# KiCad board Home Assistant Voice PE.kicad_pcb
note: Licensed under CERN-OHL-P v2
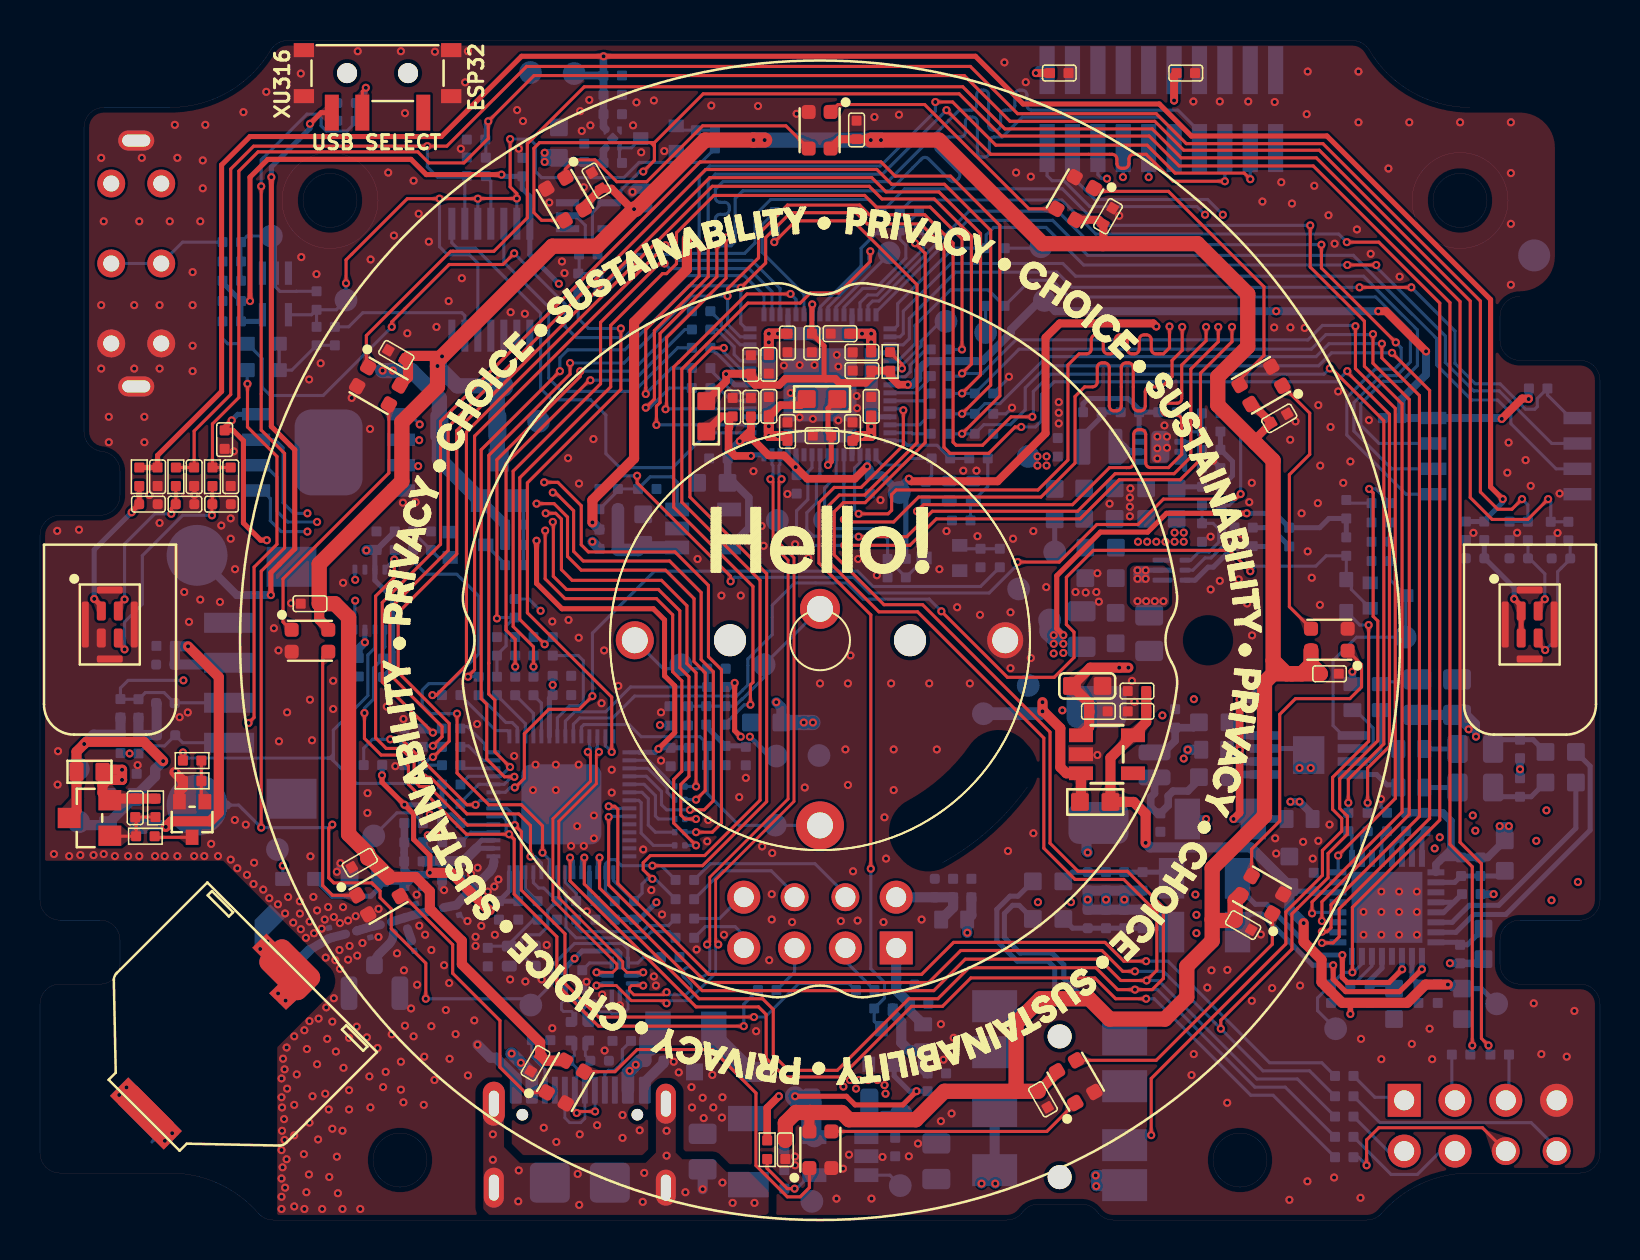
[diagram p0: board, top side]
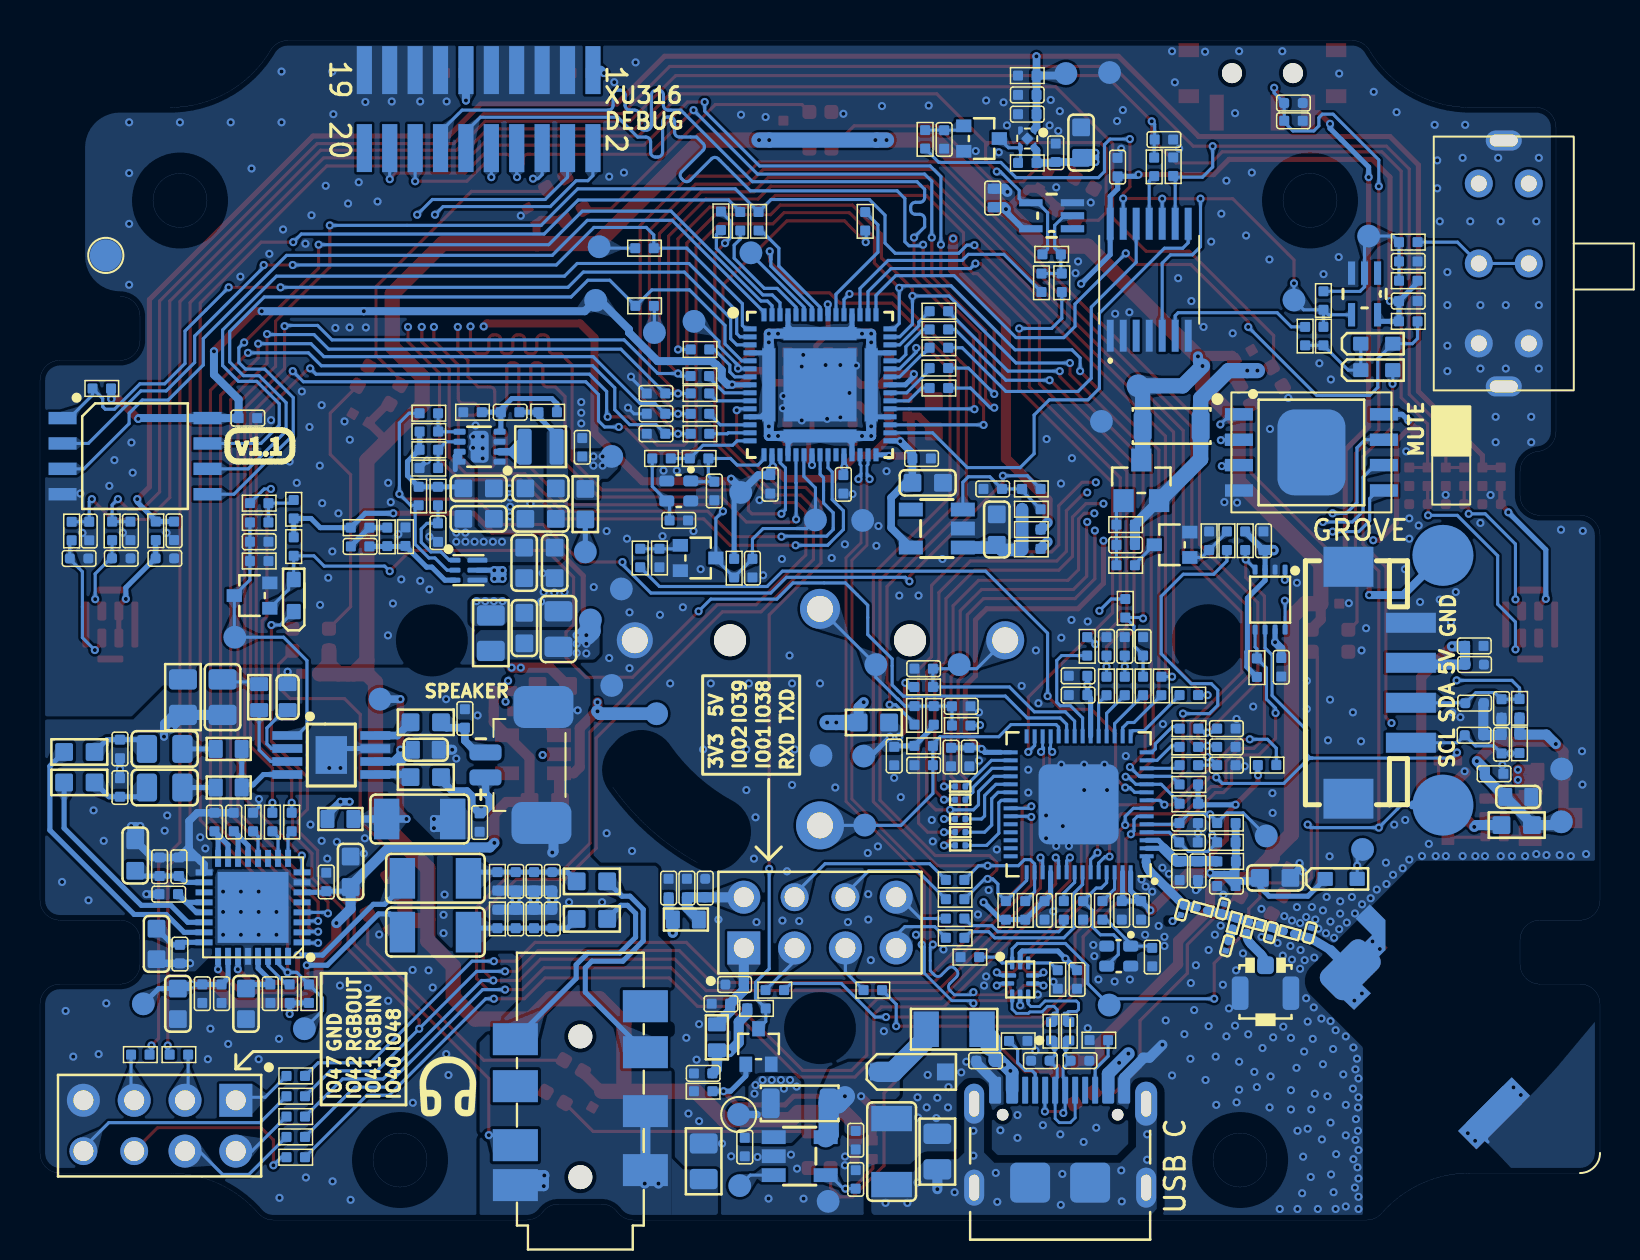
[diagram p1: board, bottom side, seen from below]

Outline 78 x 59 mm; copper layers: Top, In2.PWR (plane), In3.GND, Bottom. Coordinates in mm from the lower left corner of the outline.
Outline path: circle c14.5,51 r1.35 ; circle c18,3 r1.35 ; circle c19.6,29 r1 ; circle c39,48.4 r1 ; circle c39,9.6 r1 ; circle c58.4,29 r1 ; circle c60,3 r1.35 ; circle c71,51 r1.35 ; 0,34.25 arc(0.29,34.96) 1,35.25 3.01,35.25 arc(3.71,35.55) 4,36.25 4,37.45 arc(3.74,38.12) 3.1,38.44 arc(2.46,38.77) 2.2,39.44 2.2,54.65 arc(2.49,55.36) 3.2,55.65 6.5,55.65 arc(9.39,56.42) 11.53,58.51 arc(11.89,58.87) 12.39,59 65.61,59 arc(66.11,58.87) 66.47,58.51 arc(68.61,56.42) 71.5,55.65 74,55.65 arc(75.41,55.06) 76,53.65 76,48.2 arc(75.41,46.79) 74,46.2 arc(73.29,45.91) 73,45.2 73,43.99 arc(73.3,43.29) 74,43 77,43 arc(77.71,42.71) 78,42 78,16 arc(77.7,15.29) 76.99,15 74,15 arc(73.29,14.71) 73,14 73,12.79 arc(73.3,12.09) 74,11.8 77,11.8 arc(77.71,11.51) 78,10.8 78,3.35 arc(77.7,2.64) 76.99,2.35 71.48,2.35 arc(69.07,1.82) 67.09,0.34 arc(66.75,0.09) 66.34,0 53.66,0 arc(53.22,0.11) 52.86,0.4 arc(52.51,0.69) 52.06,0.8 49.94,0.8 arc(49.49,0.69) 49.14,0.4 arc(48.78,0.11) 48.34,0 11.66,0 arc(11.25,0.09) 10.91,0.34 arc(8.92,1.82) 6.5,2.35 1,2.35 arc(0.29,2.65) 0,3.36 0,10.8 arc(0.29,11.51) 1,11.8 3,11.8 arc(3.71,12.09) 4,12.8 4,14 arc(3.71,14.71) 3,15 1,15 arc(0.29,15.3) 0,16.01 0,34.25 ; 43.09,18.42 43.29,18.19 arc(44.16,17.71) 45.13,17.88 arc(47.46,19.53) 49.36,21.66 arc(49.64,22.61) 49.26,23.52 49.05,23.75 arc(47.84,24.25) 46.7,23.61 arc(45.26,21.99) 43.49,20.74 arc(42.73,19.68) 43.09,18.42
Stack: Top 0.035mm / dielectric 0.1mm FR4 er 4.5 / In2.PWR 0.035mm / dielectric 1.24mm FR4 er 4.5 / In3.GND 0.035mm / dielectric 0.1mm FR4 er 4.5 / Bottom 0.035mm

## Placement (name value [footprint] x y rotation side)
ANT1  U.FL-R-SMT-1  [U-FL3P-SMD-2.6X2.6X1.0MM]  16.72 11.35 270 bottom  (not fitted)
ANT2  M01-X01210U230  [ANT2P-12x10.45x3.0MM_3]  8.9 8.93 135 top
C1  100nF  [C0402]  67.61 40.11 180 bottom
C2  20pF  [C0402]  46.06 34.99 180 bottom
C3  20pF  [C0402]  44.28 36.47 270 bottom
C4  100nF  [C0402]  71.3 34.47 270 bottom
C5  100nF  [C0402]  5.88 37.18 270 top
C6  100nF  [C0402]  24.12 52.67 90 bottom
C7  2.4pF  [C0402]  21.02 17.47 270 bottom
C8  12pF  [C0402]  23.76 28.7 90 bottom  (not fitted)
C9  100nF  [C0402]  9.59 47.95 180 bottom
C10  100nF  [C0402]  27.21 53.38 90 bottom
C11  2.2uF  [C0603]  25.94 53.89 90 bottom
C12  100nF  [C0402]  28.64 56.28 0 bottom
C13  100nF  [C0402]  71.05 17.67 90 bottom
C14  10uF  [C0603]  73.24 18.23 90 bottom
C15  47uF  [C1206]  58.23 17.09 180 bottom
C16  47uF  [C1206]  58.23 14.4 180 bottom
C17  100pF  [C0402]  54.21 15.06 90 bottom
C18  100pF  [C0402]  54.21 16.94 270 bottom
C19  22uF  [C0805]  71.77 23.56 180 bottom
C20  22uF  [C0805]  71.77 21.63 180 bottom
C21  22uF  [C0805]  68.87 26.16 90 bottom
C22  100nF  [C0603#2]  65.62 26.16 270 bottom
C23  100nF  [C0603#2]  58.71 23.52 180 bottom
C24  47uF  [C1206]  59.02 20.06 180 bottom
C25  100nF  [C0402]  43.95 10.82 0 bottom
C26  100nF  [C0402]  44.84 7.33 0 bottom
C27  10nF  [C0402]  56.02 19.88 270 bottom
C28  10nF  [C0402]  56.75 25.09 90 bottom
C29  10nF  [C0402]  67.04 33.93 180 bottom
C30  100nF  [C0402]  45.65 16.6 90 bottom
C31  100nF  [C0402]  46.57 16.6 90 bottom
C32  10nF  [C0402]  4.76 20.62 270 top
C33  100nF  [C0402]  71 13.3 270 bottom
C34  22uF  [C0603]  72.17 13.81 270 bottom
C35  100nF  [C0402]  69.89 11.32 270 bottom
C36  10uF  [C0603]  71.11 10.81 270 bottom
C37  100nF  [C0402]  66.48 11.32 270 bottom
C38  22uF  [C0603]  67.7 10.81 270 bottom
C39  100nF  [C0402]  63.69 16.91 90 bottom
C40  10uF  [C0603]  62.47 17.42 90 bottom
C41  1uF  [C0402]  39.1 39.24 180 top
C42  4.3nH  [C0201]  16.45 14.38 285 bottom
C43  100nF  [C0402]  37.37 43.87 270 top
C44  1uF  [C0402]  50.89 38.65 90 bottom
C45  100nF  [C0402]  40.63 39.44 90 top
C46  100nF  [C0402]  41.56 40.7 90 top
C47  100nF  [C0402]  37.37 39.44 90 top
C48  100nF  [C0402]  41.1 43.4 180 top
C49  100nF  [C0402]  36.44 42.8 270 top
C50  100nF  [C0402]  36.44 40.7 90 top
C51  100nF  [C0402]  40 44.34 180 top
C52  100nF  [C0402]  35.55 40.66 90 top
C53  100nF  [C0402]  37.83 36.8 270 bottom
C54  100nF  [C0402]  41.49 36.8 270 bottom
C55  100nF  [C0402]  35.55 42.79 90 top
C56  100nF  [C0402]  41.1 42.49 180 top
C57  100nF  [C0402]  38.59 43.87 270 top
C58  100nF  [C0402]  34.63 40.66 90 top
C59  12pF  [C0402]  22.39 13.15 270 bottom
C60  100nF  [C0402]  9.59 45.97 180 bottom
C61  100nF  [C0402]  30.36 36.57 0 bottom  (not fitted)
C62  10uF  [C0603]  52.27 32.87 270 bottom  (not fitted)
C63  10uF  [C0603]  53.79 32.87 270 bottom
C64  120pF  [C0402]  62 33.69 180 bottom
C65  22uF  [C0805]  52.08 29.56 90 bottom
C66  100nF  [C0603]  53.78 29.61 90 bottom
C67  10uF  [C0603]  56.07 35.07 180 bottom  (not fitted)
C68  2.2uF  [C0603]  30.16 34.54 90 bottom
C69  2.2uF  [C0603]  33.62 36.87 180 bottom
C70  100nF  [C0402]  33.92 38.09 180 bottom
C71  10uF  [C0603]  52.97 36.6 0 bottom
C72  10uF  [C0603]  52.97 35.07 0 bottom
C73  10uF  [C0603]  56.07 36.6 180 bottom
C74  22pF  [C0402]  54.49 40.41 0 bottom
C75  10uF  [C0603]  16.24 17.11 180 bottom
C76  1uF  [C0402]  18.68 16.71 0 bottom
C77  12pF  [C0402]  25.84 15.49 270 bottom
C78  100nF  [C0402]  40.83 54.53 90 top
C79  100nF  [C0402]  37.22 2.03 90 bottom  (not fitted)
C80  1nF  [C1206]  35.42 3.42 270 bottom
C81  100nF  [C0402]  37.22 3.99 270 bottom
C82  1uF  [C0402]  23.91 15.49 270 bottom
C83  100nF  [C0402]  42.76 3.65 270 bottom
C84  2.2uF  [C0603#2]  4.09 21.16 180 bottom
C85  100nF  [C0402]  5.29 22.32 180 bottom
C86  10nF  [C0402]  22.95 15.49 270 bottom
C87  1uF  [C0402]  72.02 17.67 90 bottom
C88  100nF  [C0402]  68.31 19.91 90 bottom
C89  100nF  [C0402]  69.28 19.91 90 bottom
C90  100nF  [C0402]  26.15 12.03 270 bottom
C91  100nF  [C0402]  26.1 26.26 0 bottom
C92  100nF  [C0402]  42.38 32.61 270 bottom
C93  100nF  [C0402]  58.1 34.38 270 bottom  (not fitted)
C94  100nF  [C0402]  30.36 51.12 90 bottom
C95  100nF  [C0402]  20.1 17.47 270 bottom
C96  0.8PF  [C0201]  18.86 15.57 105 bottom
C97  1.2pF  [C0201]  20.89 15.51 285 bottom
C98  12pF  [C0402]  4.92 23.8 90 bottom  (not fitted)
C99  12pF  [C0402]  4.92 25.59 270 bottom  (not fitted)
C100  100nF  [C0402]  6.28 28.72 180 bottom
C101  1.2pF  [C0201]  14.51 14.37 105 bottom  (not fitted)
C102  0.5pF  [C0201]  18.65 13.72 285 bottom  (not fitted)
C103  10nF  [C0402]  32.79 54.05 270 bottom  (not fitted)
C104  100nF  [C0402]  16.83 33.98 90 bottom
C105  100nF  [C0402]  31.53 23.16 270 bottom
C106  1uF  [C0402]  32.45 23.16 270 bottom
C107  100nF  [C0402]  9.23 39.04 270 top
C108  100nF  [C0402]  27.77 15.49 270 bottom
C109  100nF  [C0402]  26.1 27.22 0 bottom
C110  1uF  [C0402]  28.64 55.31 0 bottom
C111  10pF  [C0402]  53.3 15.06 90 bottom  (not fitted)
C112  1uF  [C0402]  20.58 18.89 180 bottom
C113  12pF  [C0402]  20.57 19.86 180 bottom
C114  12pF  [C0402]  18.68 22.75 180 bottom  (not fitted)
C115  12pF  [C0402]  18.68 23.67 180 bottom  (not fitted)
C116  12pF  [C0402]  18.68 24.58 180 bottom  (not fitted)
C117  1uF  [C0402]  68.92 11.32 270 bottom
C118  100nF  [C0402]  15.94 27.65 270 bottom
C119  100nF  [C0402]  71.56 16.3 0 bottom
C120  4.7nF  [C0402]  74 23.56 270 bottom  (not fitted)
C121  4.7nF  [C0402]  74 21.63 90 bottom  (not fitted)
C122  2.2uF  [C0603]  52.36 26.71 0 top  (not fitted)
C123  1uF  [C0402]  54.85 26.46 180 top
C124  12pF  [C0402]  24.67 28.7 90 bottom  (not fitted)
C125  10pF  [C0402]  53.3 16.94 270 bottom  (not fitted)
C126  12pF  [C0402]  22.85 28.7 90 bottom  (not fitted)
C127  12pF  [C0402]  47.2 41.34 0 bottom  (not fitted)
C128  12pF  [C0402]  47.2 40.33 0 bottom  (not fitted)
C129  12pF  [C0402]  47.2 39.33 0 bottom  (not fitted)
C130  10nF  [C0402]  33.82 27.58 0 bottom
C131  10nF  [C0402]  31.94 25.7 180 bottom  (not fitted)
C132  100nF  [C0402]  35.29 23.21 270 bottom
C133  12pF  [C0402]  75.54 34.46 270 bottom  (not fitted)
C134  12pF  [C0402]  73.48 34.47 270 bottom  (not fitted)
C135  12pF  [C0402]  9.54 37.18 270 top  (not fitted)
C136  12pF  [C0402]  7.71 37.18 270 top  (not fitted)
C137  12pF  [C0402]  21.8 54.04 180 bottom  (not fitted)
C138  100nF  [C0402]  53.4 50.21 60 top
C139  100nF  [C0402]  27.82 51.99 120 top
C140  100nF  [C0402]  61.96 40.1 30 top
C141  10nF  [C0402]  33.82 22.75 0 bottom
C142  100nF  [C0402]  50.96 57.37 0 top
C143  100nF  [C0402]  57.29 57.37 0 top
C144  100nF  [C0402]  54.85 25.44 180 top
C145  100nF  [C0402]  52.92 25.44 0 top  (not fitted)
C146  10nF  [C0402]  23.72 33.77 0 bottom
C147  100nF  [C0402]  64.48 27.32 0 top
C148  100nF  [C0402]  60.16 14.75 330 top
C149  100nF  [C0402]  50.15 6.04 300 top
C150  100nF  [C0402]  37.27 3.52 270 top
C151  100nF  [C0402]  24.78 7.84 240 top
C152  100nF  [C0402]  15.99 17.87 210 top
C153  100nF  [C0402]  13.5 30.83 180 top
C154  100nF  [C0402]  17.82 43.27 150 top
C155  100nF  [C0402]  15.33 54.98 180 bottom
D1  ESDPSA0402V05  [ESD-0402]  76.05 33.09 0 bottom
D2  ESDPSA0402V05  [ESD-0402]  52.39 15.06 270 bottom
D3  ESDPSA0402V05  [ESD-0402]  52.39 16.94 90 bottom
D4  ESDPSA0402V05  [ESD-0402]  73.94 33.1 0 bottom
D5  TPD1E10B06DPYR  [ESD-0402]  44.74 16.6 270 bottom
D6  ESDPSA0402V05  [ESD-0402]  26 7.97 0 bottom
D7  ESDPSA0402V05  [ESD-0402]  27.98 7.97 180 bottom
D8  TPD1E10B06DPYR  [ESD-0402]  30.72 7.97 180 bottom
D9  LRB520S-30T1G  [SOD-523]  65.31 31.24 90 bottom
D10  ESDPSA0402V05  [ESD-0402]  71.75 33.1 0 bottom
D11  LRB520S-30T1G  [SOD-523]  12.94 17.06 180 bottom
D12  ESDPSA0402V05  [ESD-0402]  5.42 35.81 180 top
D13  LRB520S-30T1G  [SOD-523]  11.16 43.83 180 bottom  (not fitted)
D14  ESDPSA0402V05  [ESD-0402]  15.33 55.87 180 bottom
D15  ESDPSA0402V05  [ESD-0402]  6.3 24.25 0 bottom
D16  ESDPSA0402V05  [ESD-0402]  43.27 11.78 180 bottom
D17  ESDPSA0402V05  [ESD-0402]  6.27 25.85 0 bottom
D18  ESDPSA0402V05  [ESD-0402]  9.08 35.81 180 top
D19  ESDPSA0402V05  [ESD-0402]  7.25 35.81 180 top
D20  LRB520S-30T1G  [SOD-523]  11.16 42.51 180 bottom
D21  TPD1E10B06DPYR  [ESD-0402]  6.27 27.79 0 bottom
D22  SMF5.0CA  [SOD-123]  34.4 7.41 180 bottom
FB1  120R  [L0603#2]  44.16 9.14 90 bottom
FB2  120R  [L0603]  50.4 16.94 180 bottom
FB3  120R  [L0603]  50.4 15.06 180 bottom
FB4  600R  [L0603]  58.71 24.9 180 bottom
FB5  600R  [L0603]  58.71 22.15 180 bottom
FB6  600R  [L0603]  39.1 41.06 180 top
FB7  600R  [L0603]  50.73 35.81 90 bottom
FB8  120R  [L0603]  52.76 20.91 0 top
FB9  120R  [L0603]  33.31 40.2 90 top
FB10  120R  [L0603]  36.31 24.89 180 bottom
FB11  120R  [L0603]  4.16 19.75 0 bottom
FB12  2A  [F1206]  32.29 9.54 180 bottom
FB13  120R  [L0603#2]  45.71 15.03 0 bottom
G***  -  [LOGO]  57.61 6.85 180 bottom
J1  -  [ST-PJ-930A]  50.98 5.94 90 bottom
J2  WY-3315  [JST2P_1d25_7_55x4_25x4_8mm]  55.73 22.76 90 bottom
J3  ~  [H2X4-2.54-65_35MIL#2]  39 14.88 90 bottom
J4  PHS-4P  [HW4-SMD-2.0]  9.46 26.87 90 bottom
J5  ~  [JTAG_2X10_1.27_SMD]  56.07 55.57 0 bottom  (not fitted)
J6  ~  [H2X4-2.54-65_35MIL]  72.02 4.72 270 bottom
L1  0.47uH  [L0805]  55.46 29.36 270 bottom
L2  1uH  [L2016]  52.97 38.68 180 bottom
L3  3.3pF  [L0201]  15.53 14.37 195 bottom
L4  2.2nH  [L0402]  18.67 17.94 0 bottom
L5  90R  [INT4-SMD-1X1.25X0.82MM]  26.99 9.44 90 bottom  (not fitted)
L6  2.2nH  [L0201]  19.88 15.55 195 bottom
L7  2.2nH  [L0201]  18.29 14.87 285 bottom  (not fitted)
LED1  WS2812B-2020  [LED4-1.0-2.2X2X0.84MM]  26.25 51.07 120 top
LED2  WS2812B-2020  [LED4-1.0-2.2X2X0.84MM]  38.98 54.51 90 top
LED3  WS2812B-2020  [LED4-1.0-2.2X2X0.84MM]  51.75 51.1 60 top
LED4  WS2812B-2020  [LED4-1.0-2.2X2X0.84MM]  61.05 41.75 30 top
LED5  WS2812B-2020  [LED4-1.0-2.2X2X0.84MM]  64.47 29.03 0 top
LED6  WS2812B-2020  [LED4-1.0-2.2X2X0.84MM]  61.1 16.27 330 top
LED7  WS2812B-2020  [LED4-1.0-2.2X2X0.84MM#2]  51.78 6.92 300 top
LED8  WS2812B-2020  [LED4-1.0-2.2X2X0.84MM#2]  39.02 3.52 270 top
LED9  WS2812B-2020  [LED4-1.0-2.2X2X0.84MM#2]  26.27 6.9 240 top
LED10  WS2812B-2020  [LED4-1.0-2.2X2X0.84MM#2]  16.93 16.22 210 top
LED11  WS2812B-2020  [LED4-1.0-2.2X2X0.84MM#2]  13.5 28.97 180 top
LED12  WS2812B-2020  [LED4-1.0-2.2X2X0.84MM]  16.93 41.73 150 top
Q1  CJ3407  [SOT23]  22.93 37 270 bottom
Q2  LBSS138WT1G  [SOT-323]  67.4 31.24 180 bottom
Q3  LBSS138WT1G  [SOT-323]  45.1 33.11 0 bottom
Q4  S9013W  [SOT-323]  30.92 54.1 0 bottom
Q5  CJ3407  [SOT23]  2.47 20.11 0 top
Q6  LBSS138WT1G  [SOT-323]  21.4 33.78 180 bottom
Q7  LBSS138WT1G  [SOT-323]  7.61 20.03 90 top
Q10  LBSS138WT1G  [SOT-323]  42.07 8.68 270 bottom
R1  4.7K  [R0402]  74.91 41.59 180 bottom
R2  100R  [R0402]  33.06 43.63 180 bottom
R3  1M  [R0402]  45.05 38.09 180 bottom
R4  680R  [R0402]  46.92 38.09 0 bottom
R5  0R  [R0402]  8.62 37.18 270 top
R6  100R  [R0402]  74.39 34.47 270 bottom
R7  47K  [R0402]  21.34 52.69 270 bottom
R8  100R  [R0402]  22.29 52.68 270 bottom
R9  0R  [R0402]  22.85 26.71 270 bottom
R10  1K  [R0402]  9.59 46.98 180 bottom
R11  47K  [R0402]  28.64 57.24 180 bottom
R12  3.3K  [R0402]  33.74 54.05 90 bottom
R13  0R  [R0402]  28.43 36.57 0 bottom  (not fitted)
R14  0R  [R0402]  58.56 39.44 180 bottom
R15  10K  [R0402]  67.35 19.91 270 bottom
R16  0R  [R0402]  65.42 19.91 270 bottom
R17  0R  [R0402]  66.38 19.91 270 bottom
R18  10K  [R0402]  55.13 15.06 270 bottom
R19  10K  [R0402]  55.13 16.94 90 bottom
R20  15K  [R0603]  68.57 21.63 180 bottom
R21  15K  [R0603]  68.57 23.56 180 bottom
R22  15K  [R0603]  67.04 26.16 270 bottom
R23  10K  [R0402]  65.52 11.32 270 bottom
R24  10K  [R0402]  64.55 11.32 270 bottom
R25  4.7K  [R0402]  67.04 34.89 180 bottom
R26  10K  [R0402]  65.31 33.69 90 bottom
R27  4.7K  [R0402]  47.77 48.61 0 bottom  (not fitted)
R28  470K  [R0402]  28.64 52.88 180 bottom
R29  470K  [R0402]  47.03 33.11 90 bottom
R30  100R  [R0402]  4.96 37.18 90 top
R31  10K  [R0402]  43.29 32.61 90 bottom
R32  33R  [R0402]  33.06 41.61 180 bottom
R33  33R  [R0402]  33.06 42.61 180 bottom
R34  0R  [R0402]  24.88 15.49 270 bottom
R35  470K  [R0402]  67.04 32.96 0 bottom
R36  0R  [R0402]  67.04 35.86 180 bottom
R37  0R  [R0402]  65.31 35.55 90 bottom  (not fitted)
R38  0R  [R0402]  26.91 46.88 90 bottom
R39  0R  [R0603]  62.98 20.06 180 bottom
R40  470K  [R0402]  5.78 20.62 90 top
R41  0R  [R0402]  42.99 49.96 90 bottom
R42  5.1K  [R0402]  25.06 9 180 bottom
R43  5.1K  [R0402]  29.09 8.96 0 bottom
R44  49.9R  [R0402]  62 34.63 0 bottom
R45  0R  [R0402]  58.56 38.53 180 bottom
R46  100K  [R0402]  60.64 34.17 90 bottom
R47  22.1K  [R0402]  59.73 34.18 270 bottom
R48  0R  [R0402]  28.43 35.55 180 bottom
R49  0R  [R0402]  27.11 12.03 90 bottom
R50  10K  [R0402]  31.51 13.15 180 bottom
R51  10K  [R0402]  18.68 18.89 180 bottom
R52  10K  [R0402]  9.59 44.95 0 bottom  (not fitted)
R53  0R  [R0402]  58.56 37.61 180 bottom  (not fitted)
R54  51K  [R0402]  52.61 40.41 0 bottom
R55  100K  [R0402]  56.37 40.41 180 bottom
R56  22R  [R0402]  26.54 9.44 90 bottom
R57  22R  [R0402]  27.45 9.44 90 bottom
R58  47K  [R0402]  44.84 6.44 180 bottom
R59  100K  [R0402]  42.18 10.59 0 bottom
R60  0R  [R0402]  45.01 42.21 0 bottom
R61  10K  [R0402]  42.51 42.94 270 top  (not fitted)
R62  330R  [R0402]  47.77 45.73 0 bottom  (not fitted)
R63  100R  [R0402]  47.99 33.11 270 bottom
R64  100K  [R0402]  36.36 3.52 90 top
R65  0R  [R1206]  40.02 5.84 0 bottom  (not fitted)
R66  100R  [R0402]  9.59 48.91 180 bottom
R67  4.7K  [R0402]  7.61 22.98 0 top
R68  0R  [R0201]  31.99 21.68 0 bottom
R69  0R  [R0201]  31.99 21.02 0 bottom
R70  0R  [R0402]  45 41.34 0 bottom
R71  0R  [R0402]  45 40.33 0 bottom
R72  0R  [R0402]  45 39.33 0 bottom
R73  0R  [R0402]  42.07 49.96 90 bottom
R74  0R  [R0201]  31.99 20.06 0 bottom
R75  0R  [R0805]  44.82 2.94 270 bottom
R76  0R  [R0201]  31.99 19.4 0 bottom
R77  100K  [R0402]  59.07 36.21 90 bottom
R78  0R  [R0402]  28.43 33.57 0 bottom
R79  0R  [R0402]  28.43 34.54 0 bottom  (not fitted)
R80  0R  [R0402]  58.56 40.36 180 bottom  (not fitted)
R81  0R  [R0201]  31.99 18.74 0 bottom
R82  0R  [R0805]  70.85 26.16 270 bottom
R83  0R  [R0402]  41.26 11.5 0 bottom
R84  0R  [R0402]  36.36 11.5 0 bottom
R85  0R  [R0402]  32.24 14.12 0 bottom
R86  0R  [R0402]  32.24 17.01 180 bottom
R87  499R  [R0402]  26.81 15.49 270 bottom
R88  0R  [R0402]  32.24 16.05 180 bottom
R89  10K  [R0402]  18.68 19.86 180 bottom
R90  0R  [R0402]  32.24 15.08 180 bottom
R91  0R  [R0402]  65.21 7.21 0 bottom
R92  0R  [R0402]  23.76 26.71 270 bottom
R93  0R  [R0402]  20.56 22.75 0 bottom
R94  0R  [R0402]  20.56 23.67 0 bottom
R95  0R  [R0402]  20.55 24.58 0 bottom
R96  0R  [R0402]  20.56 26.26 0 bottom
R97  0R  [R0402]  21.93 26.71 270 bottom
R98  10K  [R0402]  16.65 22.76 0 bottom
R99  0R  [R0603#2]  76.03 23.41 180 bottom
R100  0R  [R0603#2]  76.03 21.89 180 bottom
R101  0R  [R0402]  24.67 26.71 270 bottom
R102  0R  [R0402]  25.64 28.7 270 bottom
R103  0R  [R0402]  45 43.54 0 bottom
R104  0R  [R0402]  33.06 44.54 180 bottom
R105  0R  [R0402]  33.06 45.46 180 bottom
R106  10K  [R0402]  33.82 26.66 0 bottom
R107  0R  [R0402]  27.42 48.3 0 bottom  (not fitted)
R108  100K  [R0402]  58.1 36.21 90 bottom
R109  0R  [R0402]  76.42 34.46 270 bottom
R110  100R  [R0402]  72.21 34.47 90 bottom
R111  0R  [R0402]  31.94 24.73 0 bottom
R112  100R  [R0402]  6.79 37.18 270 top
R113  0R  [R0402]  27.93 46.88 90 bottom  (not fitted)
R114  0R  [R0402]  13.83 45.99 270 bottom
R115  10K  [R0402]  33.31 25.24 270 bottom  (not fitted)
R116  10K  [R0402]  33.82 23.72 0 bottom
R117  470K  [R0402]  7.61 21.96 0 top
R118  0R  [R0603]  2.47 22.42 180 top  (not fitted)
R119  470K  [R0402]  23.72 34.78 180 bottom
R120  100R  [R0402]  23.72 32.75 0 bottom
R121  0R  [R1206]  21.42 39.72 0 bottom  (not fitted)
R122  470K  [R0402]  19.54 33.98 270 bottom
R123  4.7K  [R0402]  20.56 20.82 180 bottom
R124  4.7K  [R0402]  18.65 33.98 90 bottom
R125  0R  [R0402]  34.28 25.24 90 bottom  (not fitted)
R126  0R  [R0201]  17.59 14.66 105 bottom  (not fitted)
R127  0R  [R0201]  17.27 14.84 195 bottom
R128  4.7K  [R0402]  20.56 21.79 180 bottom
R129  4.7K  [R0402]  29.7 15.49 270 bottom
R130  4.7K  [R0402]  28.74 15.49 270 bottom
R131  0R  [R0402]  71.05 8.27 180 bottom
R132  0R  [R0402]  72.99 8.27 0 bottom
R133  0R  [R0402]  65.21 5.17 180 bottom
R134  0R  [R0402]  65.21 4.16 180 bottom
R135  0R  [R0402]  65.21 3.14 180 bottom
R136  0R  [R0402]  65.21 6.19 180 bottom
R137  100R  [R0402]  5.27 19.2 180 top
R138  0R  [R0402]  14.74 44.21 90 bottom
R139  0R  [R0402]  13.83 44.21 90 bottom  (not fitted)
R140  4.7K  [R0402]  17.16 27.63 270 bottom  (not fitted)
R141  4.7K  [R0402]  17.74 33.98 90 bottom  (not fitted)
R142  0R  [R0402]  36.74 49.96 270 bottom
R143  0R  [R0402]  43.95 49.98 90 bottom
R144  4.7K  [R0402]  4.02 25.6 270 bottom  (not fitted)
R145  4.7K  [R0402]  4.03 23.82 90 bottom  (not fitted)
R146  0R  [R0402]  23.73 30.6 270 bottom
R147  1M  [R0805]  33.13 3.42 270 bottom
SW1  SK-22H07  [SW6-2CH-12.7X7X4.7MM]  4.81 47.85 90 bottom
SW2  -  [AN-P1S-2SP-Z]  39 29 0 top
SW3  MK-12C02 G1.5  [SW7-SMD-L6.7X2.7X3.2MM]  16.88 57.37 270 top
TP1  TEST-POINT  [TP-D45MIL]  38.59 0.93 270 bottom
TP2  Test Point  [TP-1.6MM-ROUND#2]  43.06 5.28 180 bottom
TP3  Test Point  [TP-1.6MM-ROUND]  74.71 48.25 180 bottom
TP4  TEST-POINT  [TP-D45MIL]  45.3 44.95 0 bottom
TP5  TEST-POINT  [TP-D45MIL]  43.01 1.72 180 bottom
TP6  TEST-POINT  [TP-D45MIL]  50.04 48.69 180 bottom
TP7  TEST-POINT  [TP-D45MIL]  47.28 44.39 0 bottom
TP8  TEST-POINT  [TP-D45MIL]  32.04 27.78 0 bottom
TP9  TEST-POINT  [TP-D45MIL]  50.22 46 90 bottom
TP10  Test Point  [TP-D45MIL]  16.69 19.21 270 bottom
TP11  TEST-POINT  [TP-D45MIL]  36.82 23.21 270 bottom
TP12  TEST-POINT  [TP-D45MIL]  49.41 38.19 90 bottom
TP13  TEST-POINT  [TP-D45MIL]  24.52 57.4 180 bottom
TP14  TEST-POINT  [TP-D45MIL]  50.48 30.02 180 bottom
TP15  TEST-POINT  [TP-D45MIL]  42.96 36.39 180 bottom
TP16  TEST-POINT  [TP-D45MIL]  50.73 33.42 270 bottom
TP17  TEST-POINT  [TP-D45MIL]  49.41 26.74 180 bottom
TP18  TEST-POINT  [TP-D45MIL#2]  36.87 35.12 270 bottom
TP19  TEST-POINT  [TP-D45MIL]  48.93 31.57 180 bottom
TP20  Test Point  [TP-D45MIL]  11.87 18.54 180 bottom
TP21  Test Point  [TP-D45MIL]  38.95 23.23 270 bottom
TP22  Test Point  [TP-D45MIL]  72.83 10.81 180 bottom
TP23  TEST-POINT  [TP-D45MIL]  68.26 29.15 270 bottom
TP24  TEST-POINT  [TP-D45MIL]  64.78 9.57 0 bottom
TP25  TEST-POINT  [TP-D45MIL]  15.3 46.02 180 bottom
TP26  TEST-POINT  [TP-D45MIL]  26.71 57.35 180 bottom
TP27  Test Point  [TP-D45MIL]  1.92 22.56 90 bottom
TP28  Test Point  [TP-D45MIL]  11.57 49.22 0 bottom
TP29  Test Point  [TP-D45MIL]  36.21 27.78 0 bottom
TP30  Test Point  [TP-D45MIL]  36.76 19.75 270 bottom
TP31  Test Point  [TP-D45MIL]  23.1 41.73 270 bottom
TP32  Test Point  [TP-D45MIL]  24.93 39.95 180 bottom
TP33  Test Point  [TP-D45MIL]  61 26.05 180 bottom
TP34  Test Point  [TP-D45MIL]  1.93 19.92 180 bottom
TP36  Test Point  [TP-D120MIL]  7.85 20.75 180 bottom
TP37  Test Point  [TP-D120MIL]  7.85 33.25 180 bottom
TP38  Test Point  [TP-D45MIL]  24.54 10.75 270 bottom
TP39  Test Point  [TP-D45MIL]  47.17 25.33 270 bottom
TP40  Test Point  [TP-D45MIL]  42.45 48.38 180 bottom
TP46  Test Point  [TP-D45MIL]  39.23 35.02 180 bottom
U1  ESP32-S3R8  [QFN56G-0.4-7X7MM]  26.07 20.79 0 bottom
U2  XU316-1024-QF60B-C24​  [QFN_F60B-C24_XMO]  39 41.78 180 bottom
U3  ZB25VQ32DSJG  [SOIC8-1.27-5.3X5.3MM]  73.25 38.21 270 bottom
U4  MSM261DHP006  [MIC8P-0.85-4X3X1MM]  74.48 29.79 0 top
U5  MSM261DHP006  [MIC8P-0.85-4X3X1MM]  3.49 29.79 0 top
U6  -  [SN74LVC125APWR]  22.54 47.03 180 bottom
U7  -  [SN74LVC1G17DCKR]  27.42 50.23 0 bottom
U8  -  [TLV320AIC3204IRHBR]  67.35 15.64 0 bottom
U9  TPA6211A1DGNR  [DGN8_1d89X1P57]  63.43 23.26 180 bottom
U10  TPS62827DMQR  [DFN6-0.5-1.5X1.5X0.65MM]  56.58 32.51 180 bottom